# Allegro board SG2042_EVB_V2_0.brd (continued)
## Routing (per net, layer and track width the routed paths; a pad name or vN(x,y) marks a point on that pad's centre or on a via; arc(x,y) is an arc through that point) (continued)
DDR1_DQS3_N: length 39.4
  TOP w0.127: U1.F50 v1(138.75,244.05)
  ART10 w0.112: v1(138.75,244.05) 138.75,244.36 138.86,244.47 139.11,244.47 139.36,244.72 139.36,246.21 139.59,246.44 143.72,246.44 143.73,246.43 143.76,246.43
  ART10 w0.117: J2.185 171.73,250.05 arc(171.91,250.03) 172.05,250.14 172.08,250.2 arc(172.1,250.33) 172.04,250.45 171.69,250.8 arc(171.35,251.02) 170.95,251.1 170.92,251.1 arc(170.52,251.02) 170.18,250.8 170.01,250.62 arc(169.6,250.35) 169.12,250.25 169.01,250.25 arc(168.62,250.18) 168.29,249.96 168.12,249.79 arc(167.7,249.5) 167.2,249.4 166.42,249.4 163.45,246.43 143.76,246.43
DDR1_DQS3_P: length 39.3
  TOP w0.127: U1.E50 v1(138.75,245.05)
  ART10 w0.112: v1(138.75,245.05) 138.75,244.81 138.86,244.69 139.02,244.69 139.14,244.81 139.14,246.31 139.5,246.66 143.72,246.66 143.73,246.67 143.76,246.67
  ART10 w0.117: J2.186 172.4,250.35 arc(172.33,250.48) 172.23,250.6 171.87,250.97 arc(171.45,251.25) 170.95,251.35 170.92,251.35 arc(170.43,251.25) 170.01,250.97 169.83,250.79 arc(169.51,250.57) 169.12,250.5 169.01,250.5 arc(168.53,250.4) 168.12,250.13 167.95,249.96 arc(167.6,249.73) 167.2,249.65 166.32,249.65 163.35,246.67 143.76,246.67
DDR1_DQS4_N: length 56.2
  TOP w0.109: 146,231.35 145.97,231.35 145.95,231.33 145.2,231.33 145.02,231.16 143.79,231.16 143.68,231.26 143.68,231.44 143.79,231.55 U1.V56
  TOP w0.127: J2.244 171.94,195.23 arc(171.77,195.25) 171.6,195.25 170.98,195.25 arc(170.43,195.14) 169.97,194.83 169.86,194.72 arc(169.5,194.49) 169.08,194.4 169.05,194.4 arc(168.63,194.49) 168.27,194.72 168.06,194.93 arc(167.71,195.17) 167.29,195.25 166.52,195.25 155.13,206.64 155.13,225.02 148.79,231.35 146,231.35
DDR1_DQS4_P: length 56.1
  TOP w0.109: 146,231.1 145.97,231.1 145.95,231.12 145.29,231.12 145.11,230.94 143.7,230.94 143.25,231.4 U1.V55
  TOP w0.127: J2.245 171.63,194.55 arc(171.69,194.6) 171.73,194.67 171.73,194.69 arc(171.74,194.78) 171.71,194.88 arc(171.64,194.97) 171.52,195 170.98,195 arc(170.53,194.91) 170.15,194.65 170.04,194.55 arc(169.6,194.25) 169.08,194.15 169.05,194.15 arc(168.53,194.25) 168.09,194.54 167.88,194.75 arc(167.61,194.93) 167.29,195 166.42,195 154.87,206.54 154.87,224.91 148.68,231.1 146,231.1
DDR1_DQS5_N: length 62.4
  TOP w0.109: 146.34,224.75 146.34,224.78 145.17,225.94 143.78,225.94 143.25,226.47 U1.AC55
  TOP w0.127: 146.34,224.75 148.72,222.36 148.72,198.29 162.21,184.8 167.26,184.8 arc(167.7,184.89) 168.08,185.14 168.23,185.29 arc(168.63,185.55) 169.1,185.65 169.12,185.65 arc(169.6,185.74) 170.01,186.01 170.17,186.17 arc(170.53,186.41) 170.95,186.5 171.02,186.5 arc(171.4,186.42) 171.73,186.2 172.04,185.89 arc(172.11,185.75) 172.09,185.6 172.06,185.54 arc(171.92,185.43) 171.74,185.44 J2.255
DDR1_DQS5_P: length 62.3
  TOP w0.109: 146.52,224.93 146.49,224.93 145.26,226.16 143.87,226.16 143.76,226.26 143.76,226.44 143.87,226.55 U1.AC56
  TOP w0.127: J2.256 172.43,185.75 arc(172.35,185.92) 172.23,186.07 171.91,186.38 arc(171.5,186.66) 171.02,186.75 170.95,186.75 arc(170.43,186.65) 169.99,186.35 169.83,186.19 arc(169.5,185.98) 169.12,185.9 169,185.9 arc(168.52,185.81) 168.12,185.54 167.94,185.36 arc(167.6,185.13) 167.21,185.05 162.32,185.05 148.98,198.39 148.98,222.47 146.52,224.93
DDR1_DQS6_N: length 81.2
  TOP w0.127: U1.U50 v1(138.75,233.05)
  ART10 w0.112: v1(138.75,233.05) 138.37,233.05 138.26,232.94 138.26,232.57 138.36,232.47 138.36,231.89 138.59,231.66 143,231.66 143.45,231.21 144.97,231.21 145.27,230.91 145.74,230.91 145.75,230.92 145.78,230.92
  ART10 w0.117: J2.266 171.91,176.53 arc(171.76,176.54) 171.61,176.55 170.98,176.55 arc(170.43,176.44) 169.97,176.13 169.86,176.02 arc(169.5,175.78) 169.08,175.7 169.05,175.7 arc(168.62,175.78) 168.26,176.02 168.12,176.17 arc(167.7,176.45) 167.2,176.55 166.4,176.55 162.94,180.02 162.94,184.61 153.72,193.82 153.72,225.26 148.06,230.92 145.78,230.92
DDR1_DQS6_P: length 81.3
  TOP w0.127: U1.U49 v1(137.75,233.05)
  ART10 w0.112: 145.78,230.68 145.75,230.68 145.74,230.69 145.18,230.69 144.88,230.99 143.36,230.99 142.91,231.44 138.5,231.44 138.14,231.8 138.14,232.37 138.03,232.48 138.03,232.77 v1(137.75,233.05)
  ART10 w0.117: J2.267 171.64,175.85 arc(171.74,175.98) 171.72,176.14 171.71,176.16 arc(171.62,176.27) 171.48,176.3 170.98,176.3 arc(170.53,176.21) 170.14,175.95 170.04,175.85 arc(169.6,175.56) 169.08,175.45 169.05,175.45 arc(168.53,175.56) 168.09,175.85 167.95,176 arc(167.61,176.22) 167.2,176.3 166.3,176.3 162.69,179.91 162.69,184.51 153.48,193.72 153.48,225.16 147.96,230.68 145.78,230.68
DDR1_DQS7_N: length 88.3
  TOP w0.127: U1.AB49 v1(137.75,227.05)
  ART10 w0.112: v1(137.75,227.05) 138.03,226.77 138.03,226.52 138.14,226.42 138.14,225.78 138.48,225.44 143.42,225.44 143.92,224.94 145.27,224.94 145.28,224.93 145.31,224.93
  ART10 w0.117: J2.277 171.72,166.75 arc(171.91,166.73) 172.05,166.85 172.09,166.92 arc(172.11,167.06) 172.05,167.19 171.77,167.48 arc(171.4,167.72) 170.98,167.8 170.9,167.8 arc(170.52,167.73) 170.2,167.51 170.01,167.32 arc(169.6,167.05) 169.12,166.95 169.01,166.95 arc(168.62,166.88) 168.29,166.66 168.09,166.45 arc(167.7,166.19) 167.25,166.1 161.31,166.1 147.92,179.49 147.92,222.86 145.84,224.93 145.31,224.93
DDR1_DQS7_P: length 88.3
  TOP w0.127: U1.AB50 v1(138.75,227.05)
  ART10 w0.112: v1(138.75,227.05) 138.36,227.05 138.25,226.94 138.25,226.62 138.36,226.51 138.36,225.87 138.57,225.66 143.51,225.66 144.01,225.16 145.27,225.16 145.28,225.17 145.31,225.17
  ART10 w0.117: 145.31,225.17 145.95,225.17 148.16,222.96 148.16,179.6 161.41,166.35 167.25,166.35 arc(167.61,166.42) 167.91,166.62 168.12,166.83 arc(168.53,167.1) 169.01,167.2 169.12,167.2 arc(169.51,167.27) 169.83,167.49 170.03,167.69 arc(170.43,167.95) 170.9,168.05 171,168.05 arc(171.5,167.95) 171.92,167.67 172.21,167.38 arc(172.34,167.21) 172.43,167.02 J2.278
DDR1_ECC_DM_N: length 38.1
  TOP w0.109: 145.97,247.42 145.94,247.42 145.92,247.39 145.36,247.39 145.12,247.16 143.8,247.16 143.57,246.92 143.57,246.87 U1.C55
  TOP w0.127: 145.97,247.42 146.83,247.42 146.96,247.54 146.96,248.14 147.23,248.41 148.05,248.41 148.33,248.14 148.33,247.54 148.45,247.42 149.06,247.42 149.19,247.54 149.19,248.14 149.47,248.41 150.29,248.41 150.56,248.14 150.56,247.54 150.69,247.42 151.3,247.42 151.43,247.54 151.43,248.14 151.7,248.41 152.52,248.41 152.8,248.14 152.8,247.54 152.93,247.42 153.53,247.42 153.66,247.54 153.66,248.14 153.94,248.41 154.76,248.41 155.03,248.14 155.03,247.54 155.16,247.42 155.77,247.42 155.9,247.54 155.9,248.14 156.17,248.41 156.99,248.41 157.27,248.14 157.27,247.54 157.4,247.42 158.01,247.42 158.13,247.54 158.13,248.14 158.41,248.41 159.23,248.41 159.5,248.14 159.5,247.54 159.63,247.42 161.27,247.42 165.83,242.85 167.26,242.85 arc(167.71,242.76) 168.09,242.51 168.43,242.17 arc(168.55,242.02) 168.63,241.84 J2.52
DDR1_ECC_DM_P: length 38
  TOP w0.109: U1.C56 143.89,246.55 143.78,246.66 143.78,246.84 143.89,246.94 145.21,246.94 145.45,247.18 145.92,247.18 145.94,247.16 145.97,247.16
  TOP w0.127: 145.97,247.16 146.93,247.16 147.21,247.44 147.21,248.03 147.34,248.16 147.95,248.16 148.07,248.03 148.07,247.44 148.35,247.16 149.17,247.16 149.45,247.44 149.45,248.03 149.57,248.16 150.18,248.16 150.31,248.03 150.31,247.44 150.58,247.16 151.41,247.16 151.68,247.44 151.68,248.03 151.81,248.16 152.42,248.16 152.54,248.03 152.54,247.44 152.82,247.16 153.64,247.16 153.92,247.44 153.92,248.03 154.04,248.16 154.65,248.16 154.78,248.03 154.78,247.44 155.06,247.16 155.88,247.16 156.15,247.44 156.15,248.03 156.28,248.16 156.89,248.16 157.01,248.03 157.01,247.44 157.29,247.16 158.11,247.16 158.39,247.44 158.39,248.03 158.51,248.16 159.12,248.16 159.25,248.03 159.25,247.44 159.53,247.16 161.16,247.16 165.73,242.6 167.26,242.6 arc(167.61,242.53) 167.91,242.33 168.24,242 arc(168.31,241.85) 168.28,241.68 168.27,241.65 arc(168.12,241.53) 167.93,241.55 J2.51
DDR1_ECC_DQ0: length 39
  TOP w0.173: U1.B55 143.75,248.05 145.21,248.05 146.6,249.45 155.52,249.45 155.69,249.62 155.69,250.5 155.86,250.67 156.3,250.67 156.47,250.5 156.47,249.62 156.64,249.45 157.07,249.45 157.25,249.62 157.25,250.5 157.42,250.67 157.85,250.67 158.02,250.5 158.02,249.62 158.2,249.45 158.63,249.45 158.8,249.62 158.8,250.5 158.97,250.67 159.4,250.67 159.58,250.5 159.58,249.62 159.75,249.45 160.7,249.45 161.21,248.93 161.46,248.93 161.85,249.33 162.09,249.33 162.4,249.02 162.4,248.78 162.01,248.38 162.01,248.14 162.31,247.83 162.56,247.83 162.95,248.23 163.19,248.23 163.5,247.92 163.5,247.68 163.11,247.28 163.11,247.04 163.41,246.74 163.66,246.74 164.05,247.13 164.29,247.13 164.6,246.82 164.6,246.58 164.21,246.19 164.21,245.94 164.51,245.64 164.76,245.64 165.15,246.03 165.39,246.03 165.7,245.72 165.7,245.48 165.3,245.09 165.3,244.84 166.26,243.89 167,243.89 J2.49
DDR1_ECC_DQ1: length 39.4
  TOP w0.173: U1.A54 143.92,250.22 154.31,250.22 155.54,251.45 161.07,251.45 161.85,250.67 162.09,250.67 162.48,251.06 162.73,251.06 163.03,250.76 163.03,250.51 162.64,250.12 162.64,249.88 162.95,249.57 163.19,249.57 163.58,249.96 163.83,249.96 164.13,249.66 164.13,249.41 163.74,249.02 163.74,248.78 164.05,248.47 164.29,248.47 164.68,248.86 164.93,248.86 165.23,248.56 165.23,248.31 164.84,247.92 164.84,247.68 166.4,246.12 167.22,246.12 arc(167.65,246.04) 168.02,245.8 168.18,245.63 arc(168.58,245.37) 169.05,245.28 169.08,245.28 arc(169.55,245.18) 169.95,244.92 170.08,244.78 arc(170.48,244.52) 170.95,244.42 170.98,244.42 arc(171.45,244.33) 171.85,244.07 172.38,243.54 arc(172.63,243.16) J2.194
DDR1_ECC_DQ2: length 36.5
  TOP w0.173: U1.B53 v1(141.75,248.05)
  ART03 w0.15: v1(141.75,248.05) 142.25,247.55 142.25,246.57 143.25,245.57 143.25,244.83 143.53,244.55 145.12,244.55 146.12,245.56 152.51,245.56 152.66,245.41 152.66,244.83 152.81,244.68 153.24,244.68 153.39,244.83 153.39,245.21 153.54,245.36 153.97,245.36 154.12,245.21 154.12,244.83 154.27,244.68 154.69,244.68 154.84,244.83 154.84,245.21 154.99,245.36 155.42,245.36 155.57,245.21 155.57,244.83 155.72,244.68 160.22,244.68 165.57,239.32 167.13,239.32 arc(167.65,239.22) 168.08,238.93 168.58,238.43 arc(168.83,238.06) J2.56
DDR1_ECC_DQ3: length 39
  TOP w0.173: U1.E53 v1(141.75,245.05)
  ART03 w0.15: v1(141.75,245.05) 142.8,244 146.55,244 146.7,244.15 146.7,244.73 146.85,244.88 147.28,244.88 147.43,244.73 147.43,244.15 147.58,244 148.01,244 148.16,244.15 148.16,244.73 148.31,244.88 148.73,244.88 148.88,244.73 148.88,244.15 149.03,244 149.46,244 149.61,244.15 149.61,244.73 149.76,244.88 150.19,244.88 150.34,244.73 150.34,244.15 150.49,244 150.92,244 151.07,244.15 151.07,244.73 151.22,244.88 151.64,244.88 151.79,244.73 151.79,244.15 151.94,244 159.96,244 166.34,237.62 167.21,237.62 arc(167.65,237.54) 168.03,237.29 168.12,237.19 arc(168.58,236.88) 169.12,236.77 J2.201
DDR1_ECC_DQ4: length 37.5
  TOP w0.173: U1.A55 v1(143.75,249.05)
  ART03 w0.15: v1(143.75,249.05) 146.1,249.05 146.25,249.2 146.25,250.24 146.4,250.39 146.83,250.39 146.98,250.24 146.98,249.2 147.13,249.05 147.56,249.05 147.71,249.2 147.71,250.24 147.86,250.39 148.28,250.39 148.43,250.24 148.43,249.2 148.58,249.05 149.01,249.05 149.16,249.2 149.16,250.24 149.31,250.39 149.74,250.39 149.89,250.24 149.89,249.2 150.04,249.05 150.47,249.05 150.62,249.2 150.62,250.24 150.77,250.39 151.19,250.39 151.34,250.24 151.34,249.2 151.49,249.05 151.92,249.05 152.07,249.2 152.07,250.24 152.22,250.39 152.65,250.39 152.8,250.24 152.8,249.2 152.95,249.05 163.54,249.05 J2.47
DDR1_ECC_DQ5: length 42.3
  TOP w0.173: U1.E55 v1(143.75,245.05)
  ART03 w0.15: J2.192 171.02,244.43 arc(170.48,244.53) 170.02,244.84 169.95,244.91 arc(169.55,245.18) 169.08,245.28 169.05,245.28 arc(168.58,245.18) 168.18,244.91 168,244.74 arc(167.65,244.51) 167.25,244.42 166.47,244.42 164.38,246.51 152.94,246.51 152.79,246.66 152.79,247.6 152.64,247.75 152.21,247.75 152.06,247.6 152.06,246.66 151.91,246.51 151.48,246.51 151.33,246.66 151.33,247.6 151.18,247.75 150.75,247.75 150.6,247.6 150.6,246.66 150.45,246.51 150.03,246.51 149.88,246.66 149.88,247.6 149.73,247.75 149.3,247.75 149.15,247.6 149.15,246.66 149,246.51 148.57,246.51 148.42,246.66 148.42,247.6 148.27,247.75 147.84,247.75 147.69,247.6 147.69,246.66 147.54,246.51 147.11,246.51 146.96,246.66 146.96,247.6 146.81,247.75 146.39,247.75 146.24,247.6 146.24,246.66 146.09,246.51 145.21,246.51 v1(143.75,245.05)
DDR1_ECC_DQ6: length 44.7
  TOP w0.173: U1.D56 144.91,244.89 157.24,244.89 157.59,244.54 157.84,244.54 158.17,244.87 158.41,244.87 158.72,244.56 158.72,244.32 158.39,243.99 158.39,243.74 158.69,243.44 158.94,243.44 160.18,244.68 160.43,244.68 160.73,244.38 160.73,244.13 159.49,242.89 159.49,242.64 159.79,242.34 160.04,242.34 161.28,243.58 161.53,243.58 161.83,243.28 161.83,243.03 160.59,241.79 160.59,241.55 160.89,241.24 161.14,241.24 162.38,242.48 162.63,242.48 162.93,242.18 162.93,241.93 161.69,240.69 161.69,240.45 161.99,240.14 162.24,240.14 163.48,241.39 163.72,241.39 164.03,241.08 164.03,240.84 162.79,239.59 162.79,239.35 163.09,239.04 163.34,239.04 164.58,240.29 164.82,240.29 165.78,239.33 J2.54
DDR1_ECC_DQ7: length 45.6
  TOP w0.173: J2.199 169.12,238.48 arc(168.58,238.37) 168.13,238.06 168.03,237.97 arc(167.65,237.71) 167.2,237.62 165.28,237.62 165.11,237.8 165.11,238.88 164.94,239.06 164.5,239.06 164.33,238.88 164.33,237.8 164.16,237.62 163.41,237.62 162.63,238.4 162.39,238.4 161.61,237.62 161.36,237.62 161.06,237.93 161.06,238.17 161.84,238.95 161.84,239.2 161.53,239.5 161.29,239.5 160.51,238.72 160.26,238.72 159.96,239.03 159.96,239.27 160.74,240.05 160.74,240.29 160.43,240.6 160.19,240.6 159.41,239.82 159.16,239.82 158.86,240.12 158.86,240.37 159.64,241.15 159.64,241.39 159.33,241.7 159.09,241.7 158.31,240.92 158.06,240.92 157.76,241.22 157.76,241.47 158.54,242.25 158.54,242.49 158.23,242.8 157.99,242.8 157.21,242.02 156.97,242.02 156.66,242.32 156.66,242.57 157.44,243.35 157.44,243.59 157.14,243.9 156.89,243.9 156.11,243.12 155.87,243.12 154.87,244.11 144.69,244.11 U1.E56
DDR1_ECC_DQS_N: length 34.4
  TOP w0.109: 145.57,246.18 145.54,246.18 145.52,246.16 141.77,246.16 141.25,245.64 U1.D53
  TOP w0.127: J2.196 171.93,241.13 arc(171.76,241.15) 171.6,241.15 170.98,241.15 arc(170.43,241.04) 169.97,240.73 169.86,240.62 arc(169.5,240.39) 169.08,240.3 169.05,240.3 arc(168.63,240.39) 168.27,240.63 168.06,240.84 arc(167.71,241.07) 167.3,241.15 165.78,241.15 160.75,246.18 145.57,246.18
DDR1_ECC_DQS_P: length 34.3
  TOP w0.109: U1.D54 141.85,245.55 141.74,245.66 141.74,245.84 141.85,245.94 145.52,245.94 145.54,245.92 145.57,245.92
  TOP w0.127: 145.57,245.92 160.65,245.92 165.67,240.9 167.24,240.9 arc(167.61,240.83) 167.91,240.62 168.09,240.45 arc(168.53,240.15) 169.05,240.05 169.08,240.05 arc(169.6,240.15) 170.04,240.45 170.15,240.55 arc(170.53,240.81) 170.98,240.9 171.47,240.9 arc(171.62,240.85) 171.73,240.74 171.74,240.73 arc(171.75,240.58) 171.66,240.46 J2.197
DDR1_EVENT_N: length 207.5
  TOP w0.102: J2.78 169.68,214.59 183.81,214.59 R5.1 v1(183.92,215.09) ; R2387.2 v1(70.31,157.86)
  BOTTOM w0.102: v1(183.92,215.09) 184.3,214.71 184.3,156.49 184.05,156.24 184.05,155.7 183.06,154.71 155.82,154.71 133.59,176.94 105.01,176.94 86.52,158.45 70.89,158.45 v1(70.31,157.86)
DDR1_EVENT_N_L: length 1.9
  TOP w0.102: U2010.3 70.84,147.83 R598.2
DDR1_MA0: length 49.5
  TOP w0.173: J2.79 166.25,214.04 166.25,214.28 166.96,214.99 166.96,215.23 166.66,215.54 166.41,215.54 165.7,214.83 165.46,214.83 165.15,215.14 165.15,215.38 165.86,216.09 165.86,216.33 165.56,216.64 165.31,216.64 164.6,215.93 164.36,215.93 164.05,216.24 164.05,216.48 164.76,217.19 164.76,217.43 164.46,217.74 164.21,217.74 163.5,217.03 163.26,217.03 162.95,217.33 162.95,217.58 163.66,218.29 163.66,218.53 163.36,218.84 163.11,218.84 162.41,218.13 162.16,218.13 161.86,218.43 161.86,218.68 162.56,219.39 162.56,219.63 162.26,219.94 162.01,219.94 161.31,219.23 161.06,219.23 160.3,219.99 160.3,226.91 150.97,236.24 145.79,236.24 145.6,236.05 143.75,236.05 U1.P55
DDR1_MA1: length 47.9
  TOP w0.173: U1.N56 144.73,237.03 151.16,237.03 160.99,227.2 160.99,224.2 161.16,224.03 161.59,224.03 161.77,224.2 161.77,226.7 161.94,226.87 162.37,226.87 162.54,226.7 162.54,224.2 162.72,224.03 163.15,224.03 163.32,224.2 163.32,226.7 163.49,226.87 163.93,226.87 164.1,226.7 164.1,224.2 164.27,224.03 164.7,224.03 164.88,224.2 164.88,226.7 165.05,226.87 165.48,226.87 165.65,226.7 165.65,224.2 165.83,224.03 J2.72
DDR1_MA2: length 40.3
  TOP w0.173: U1.H53 v1(141.75,242.05)
  ART10 w0.135: J2.216 171.03,224.03 arc(170.48,224.13) 170.02,224.44 169.95,224.51 arc(169.55,224.78) 169.08,224.88 169.05,224.88 arc(168.58,224.78) 168.18,224.51 168.09,224.42 arc(167.68,224.15) 167.2,224.05 164.54,224.05 163.73,224.86 163.54,224.86 163.37,224.68 163.18,224.68 162.88,224.98 162.88,225.17 163.06,225.34 163.06,225.53 147.04,241.55 142.25,241.55 v1(141.75,242.05)
DDR1_MA3: length 44.9
  TOP w0.173: U1.N54 v1(142.75,237.05)
  ART03 w0.15: J2.71 165.95,224.88 165.8,224.73 165.8,222.91 165.65,222.76 165.22,222.76 165.07,222.91 165.07,224.73 164.92,224.88 164.49,224.88 164.34,224.73 164.34,222.91 164.19,222.76 163.76,222.76 163.62,222.91 163.62,224.73 163.47,224.88 162.44,224.88 161.88,225.44 161.88,225.65 162.09,225.87 162.09,226.08 161.79,226.38 161.58,226.38 161.36,226.16 161.15,226.16 160.85,226.47 160.85,226.68 161.06,226.89 161.06,227.11 160.76,227.41 160.55,227.41 160.33,227.19 160.12,227.19 159.82,227.5 159.82,227.71 160.03,227.92 160.03,228.14 159.73,228.44 159.52,228.44 159.3,228.22 159.09,228.22 158.79,228.53 158.79,228.74 159,228.95 159,229.16 158.7,229.47 158.49,229.47 158.27,229.25 158.06,229.25 157.76,229.55 157.76,229.77 157.97,229.98 157.97,230.19 157.67,230.5 157.46,230.5 157.24,230.28 157.03,230.28 156.73,230.58 156.73,230.8 156.95,231.01 156.95,231.22 156.64,231.53 156.43,231.53 156.22,231.31 156,231.31 155.7,231.61 155.7,231.83 155.92,232.04 155.92,232.25 155.61,232.56 155.4,232.56 155.19,232.34 154.97,232.34 154.67,232.64 154.67,232.85 154.89,233.07 154.89,233.28 154.58,233.58 154.37,233.58 154.16,233.37 153.95,233.37 150.77,236.54 143.26,236.54 v1(142.75,237.05)
DDR1_MA4: length 43.7
  TOP w0.173: U1.M55 v1(143.75,238.05)
  ART03 w0.15: v1(143.75,238.05) 144.76,237.04 145.32,237.04 145.47,237.19 145.47,237.9 145.62,238.05 146.04,238.05 146.19,237.9 146.19,237.19 146.34,237.04 146.77,237.04 146.92,237.19 146.92,237.9 147.07,238.05 147.5,238.05 147.65,237.9 147.65,237.19 147.8,237.04 148.23,237.04 148.38,237.19 148.38,237.9 148.53,238.05 148.96,238.05 149.11,237.9 149.11,237.19 149.26,237.04 149.68,237.04 149.83,237.19 149.83,237.9 149.98,238.05 150.41,238.05 150.56,237.9 150.56,237.19 150.71,237.04 151.83,237.04 152.4,236.47 152.4,236.26 152.18,236.05 152.18,235.83 152.48,235.53 152.69,235.53 152.91,235.75 153.12,235.75 153.43,235.44 153.43,235.23 153.21,235.02 153.21,234.81 153.51,234.5 153.72,234.5 153.94,234.72 154.15,234.72 163.14,225.72 167.12,225.72 arc(167.65,225.83) 168.09,226.13 168.18,226.21 arc(168.58,226.48) 169.05,226.58 169.08,226.58 arc(169.55,226.48) 169.95,226.21 170.02,226.14 arc(170.48,225.83) 171.02,225.73 J2.214
DDR1_MA5: length 36.9
  TOP w0.173: U1.G54 v1(142.75,243.05)
  ART12 w0.135: J2.213 169.13,226.58 arc(168.58,226.68) 168.12,226.99 168.08,227.03 arc(167.65,227.32) 167.13,227.42 166.18,227.42 165.77,227.83 165.77,228.02 166.09,228.34 166.09,228.53 165.79,228.82 165.6,228.82 165.29,228.51 165.1,228.51 150.56,243.05 v1(142.75,243.05)
DDR1_MA6: length 43.9
  TOP w0.173: U1.M54 v1(142.75,238.05)
  ART03 w0.15: J2.69 164.76,226.58 163.77,227.56 163.56,227.56 162.89,226.89 162.68,226.89 162.38,227.19 162.38,227.41 163.05,228.08 163.05,228.29 162.75,228.59 162.53,228.59 161.86,227.92 161.65,227.92 161.35,228.22 161.35,228.44 162.02,229.11 162.02,229.32 161.72,229.62 161.5,229.62 160.83,228.95 160.62,228.95 160.32,229.25 160.32,229.46 160.99,230.14 160.99,230.35 160.69,230.65 160.48,230.65 159.8,229.98 159.59,229.98 159.29,230.28 159.29,230.49 159.96,231.17 159.96,231.38 159.66,231.68 159.45,231.68 158.77,231.01 158.56,231.01 158.26,231.31 158.26,231.52 158.93,232.19 158.93,232.41 158.63,232.71 158.42,232.71 157.74,232.04 157.53,232.04 157.23,232.34 157.23,232.55 157.9,233.22 157.9,233.44 157.6,233.74 157.39,233.74 156.72,233.07 156.5,233.07 151.02,238.55 143.25,238.55 v1(142.75,238.05)
DDR1_MA7: length 37.8
  TOP w0.173: U1.G53 v1(141.75,243.05)
  ART10 w0.135: v1(141.75,243.05) 142.25,242.55 150.54,242.55 163.97,229.13 164.83,229.13 164.97,229.26 164.97,229.99 165.1,230.12 165.52,230.12 165.65,229.99 165.65,229.26 165.79,229.13 167.1,229.13 arc(167.64,229.02) 168.1,228.71 168.12,228.69 arc(168.58,228.38) 169.13,228.28 J2.211
DDR1_MA8: length 42.4
  TOP w0.173: U1.L55 v1(143.75,239.05)
  ART03 w0.15: v1(143.75,239.05) 151.27,239.05 152.05,238.28 152.26,238.28 152.9,238.92 153.12,238.92 153.42,238.62 153.42,238.41 152.77,237.76 152.77,237.55 153.07,237.25 153.29,237.25 153.93,237.89 154.14,237.89 154.45,237.59 154.45,237.38 153.8,236.73 153.8,236.52 154.1,236.22 154.32,236.22 154.96,236.86 155.17,236.86 155.48,236.56 155.48,236.35 154.83,235.7 154.83,235.49 155.13,235.19 155.34,235.19 155.99,235.84 156.2,235.84 156.51,235.53 156.51,235.32 155.86,234.67 155.86,234.46 156.16,234.16 156.37,234.16 157.02,234.81 157.23,234.81 163.29,228.75 164.54,228.75 164.69,228.6 164.69,227.58 164.84,227.43 165.27,227.43 165.42,227.58 165.42,228.6 165.57,228.75 166,228.75 166.15,228.6 166.15,227.57 166.3,227.42 J2.68
DDR1_MA9: length 41.3
  TOP w0.173: U1.K54 v1(142.75,240.05)
  ART03 w0.15: J2.66 166.33,229.13 166.18,229.27 166.18,230.18 166.03,230.33 165.6,230.33 165.45,230.18 165.45,229.49 165.3,229.34 164.88,229.34 164.73,229.49 164.73,230.18 164.58,230.33 164.15,230.33 164,230.18 164,229.49 163.85,229.34 163.42,229.34 163.27,229.49 163.27,230.18 163.12,230.33 162.41,230.33 153.19,239.55 151.32,239.55 151.17,239.7 151.17,240.34 151.02,240.49 150.59,240.49 150.44,240.34 150.44,239.7 150.29,239.55 149.86,239.55 149.71,239.7 149.71,240.34 149.56,240.49 149.13,240.49 148.98,240.34 148.98,239.7 148.83,239.55 148.41,239.55 148.26,239.7 148.26,240.34 148.11,240.49 147.68,240.49 147.53,240.34 147.53,239.7 147.38,239.55 146.95,239.55 146.8,239.7 146.8,240.34 146.65,240.49 146.22,240.49 146.07,240.34 146.07,239.7 145.92,239.55 143.25,239.55 v1(142.75,240.05)
DDR1_MA10: length 48.5
  TOP w0.173: U1.P56 150.68,235.55 159.61,226.63 159.61,218.93 160.6,217.93 160.6,217.69 160.25,217.34 160.25,217.09 160.55,216.79 160.8,216.79 161.15,217.14 161.4,217.14 161.7,216.84 161.7,216.59 161.35,216.24 161.35,215.99 161.65,215.69 161.9,215.69 162.25,216.04 162.49,216.04 162.8,215.74 162.8,215.49 162.45,215.14 162.45,214.89 162.75,214.59 163,214.59 163.35,214.94 163.59,214.94 163.9,214.64 163.9,214.39 163.55,214.04 163.55,213.8 163.85,213.49 164.1,213.49 164.45,213.84 164.69,213.84 165,213.54 165,213.29 164.65,212.94 164.65,212.7 164.95,212.39 165.2,212.39 165.55,212.74 165.79,212.74 166.41,212.13 167.17,212.13 arc(167.65,212.22) 168.06,212.49 168.18,212.62 arc(168.58,212.88) 169.05,212.97 169.08,212.97 arc(169.55,212.88) 169.95,212.62 170.99,211.57 arc(171.08,211.44) J2.225
DDR1_MA11: length 45.8
  TOP w0.173: U1.L56 145.26,238.55 145.43,238.38 145.43,237.9 145.6,237.72 146.03,237.72 146.21,237.9 146.21,238.38 146.38,238.55 146.81,238.55 146.98,238.38 146.98,237.9 147.16,237.72 147.59,237.72 147.76,237.9 147.76,238.38 147.93,238.55 148.36,238.55 148.54,238.38 148.54,237.9 148.71,237.72 149.14,237.72 149.31,237.9 149.31,238.38 149.49,238.55 150.64,238.55 155.34,233.85 155.58,233.85 156.3,234.57 156.54,234.57 156.85,234.26 156.85,234.02 156.13,233.3 156.13,233.06 156.44,232.75 156.68,232.75 157.4,233.47 157.64,233.47 157.95,233.16 157.95,232.92 157.23,232.21 157.23,231.96 157.54,231.66 157.78,231.66 158.5,232.37 158.74,232.37 159.04,232.06 159.04,231.82 158.33,231.11 158.33,230.86 158.64,230.56 158.88,230.56 159.59,231.27 159.84,231.27 160.14,230.96 160.14,230.72 159.43,230.01 159.43,229.76 160.03,229.16 167.19,229.16 arc(167.62,229.07) 167.98,228.83 168.18,228.63 arc(168.58,228.37) 169.05,228.27 169.08,228.27 arc(169.55,228.37) 169.95,228.63 170.03,228.71 arc(170.48,229.02) 171.02,229.13 J2.210
DDR1_MA12: length 45.8
  TOP w0.173: U1.K56 144.38,239.42 152.91,239.42 153.39,238.94 153.39,238.69 152.56,237.86 152.56,237.61 152.86,237.31 153.11,237.31 153.94,238.14 154.19,238.14 154.49,237.84 154.49,237.59 153.66,236.76 153.66,236.51 153.96,236.21 154.21,236.21 155.04,237.04 155.29,237.04 155.59,236.74 155.59,236.49 154.76,235.66 154.76,235.41 155.06,235.11 155.31,235.11 156.14,235.94 156.39,235.94 160.5,231.83 161.11,231.83 161.29,231.65 161.29,230.15 161.46,229.98 161.89,229.98 162.06,230.15 162.06,231.65 162.24,231.83 162.67,231.83 162.84,231.65 162.84,230.15 163.01,229.98 163.45,229.98 163.62,230.15 163.62,231.65 163.79,231.83 164.22,231.83 164.4,231.65 164.4,230.15 164.57,229.98 165,229.98 165.17,230.15 165.17,231.65 165.35,231.83 165.78,231.83 165.95,231.65 165.95,230.15 166.12,229.98 J2.65
DDR1_MA13: length 51.3
  TOP w0.173: U1.R54 v1(142.75,235.05)
  ART03 w0.15: J2.232 171.02,205.33 arc(170.48,205.43) 170.02,205.74 169.95,205.81 arc(169.55,206.08) 169.08,206.18 169.05,206.18 arc(168.58,206.27) 168.18,206.54 168.02,206.7 arc(167.65,206.94) 167.22,207.02 166.41,207.02 160.53,212.9 160.53,226.09 150.57,236.05 143.75,236.05 v1(142.75,235.05)
DDR1_MA14: length 52
  TOP w0.173: U1.M51 v1(139.75,238.05)
  ART10 w0.135: v1(139.75,238.05) 140.25,238.55 148.7,238.55 159.15,228.11 166.33,208.98 arc(166.47,208.79) 166.69,208.73 167.1,208.73 arc(167.64,208.83) 168.1,209.14 168.18,209.21 arc(168.58,209.48) 169.05,209.57 169.08,209.57 arc(169.55,209.48) 169.95,209.21 170.02,209.14 arc(170.48,208.83) 171.03,208.73 J2.228
DDR1_MA15: length 50.4
  TOP w0.173: U1.N51 v1(139.75,237.05)
  ART10 w0.135: v1(139.75,237.05) 140.25,237.55 149.04,237.55 158.71,227.88 158.71,214.72 166.41,207.02 J2.86
DDR1_MA16: length 45.8
  TOP w0.173: U1.M52 v1(140.75,238.05)
  ART12 w0.135: J2.82 166.41,210.43 162.36,214.48 162.36,223.89 148.69,237.55 141.25,237.55 v1(140.75,238.05)
DDR1_MA17: length 51.2
  TOP w0.173: U1.R55 v1(143.75,235.05)
  ART03 w0.15: J2.234 171.02,203.63 arc(170.48,203.73) 170.02,204.04 169.95,204.11 arc(169.55,204.38) 169.08,204.48 169.05,204.48 arc(168.58,204.57) 168.18,204.84 168.03,204.99 arc(167.65,205.24) 167.21,205.32 166.4,205.32 160.03,211.7 160.03,225.88 150.36,235.55 144.25,235.55 v1(143.75,235.05)
DDR1_ODT0: length 49.9
  TOP w0.173: U1.N50 v1(138.75,237.05)
  ART10 w0.135: J2.87 166.42,206.18 158.24,214.35 158.24,227.68 149.37,236.55 139.25,236.55 v1(138.75,237.05)
DDR1_ODT1: length 48.6
  TOP w0.173: U1.P52 v1(140.75,236.05)
  ART12 w0.135: J2.91 166.81,202.78 arc(166.79,202.78) 166.76,202.78 arc(166.45,202.88) 166.23,203.13 157.99,220.19 157.99,226.91 149.36,235.55 141.25,235.55 v1(140.75,236.05)
DDR1_PAR: length 48.6
  TOP w0.173: U1.L50 v1(138.75,239.05)
  ART10 w0.135: J2.222 172.32,214.22 arc(171.91,214.49) 171.42,214.59 166.41,214.59 163.72,217.28 159.56,228.37 148.37,239.55 139.25,239.55 v1(138.75,239.05)
DDR1_PLL_TESTOUT_N: length 1.4
  TOP w0.127: U1.M49 v1(137.75,238.05)
  BOTTOM w0.127: T20.1 v1(137.75,238.05)
DDR1_PLL_TESTOUT_P: length 1.4
  TOP w0.127: U1.M48 v1(136.75,238.05)
  BOTTOM w0.127: T19.1 v1(136.75,238.05)
DDR1_RESET_N: length 45.1
  TOP w0.173: U1.F55 143.75,243.05 154.47,243.05 161.59,235.93 J2.58 170.91,235.93 arc(171.44,236.03) 171.9,236.34 171.93,236.36 arc(172.38,236.67) 172.92,236.77 173.7,236.77 arc(174.24,236.88) 174.7,237.19 174.73,237.21 arc(175.18,237.52) 175.72,237.62 176.5,237.62 arc(177.04,237.52) 177.5,237.21 177.58,237.13 arc(177.98,236.87) 178.44,236.77 178.48,236.77 arc(178.95,236.87) 179.35,237.13 179.48,237.27 arc(179.88,237.53) 180.34,237.62 180.38,237.62 arc(180.85,237.72) 181.25,237.98 181.32,238.06 arc(181.78,238.37) 182.32,238.48 183.63,238.48 arc(183.74,238.45) 183.84,238.39 T15.1
DDR1_VDDPLL: length 1
  BOTTOM w0.381: FB16.1 C1454.1
  vias: v1(129.25,226.55)
DDR01_VDDQ_1V2: length 1064.5
  TOP w0.203: R12849.2 C6129.2 v1(198.12,189.94)
  TOP w0.254: J1.83 176.71,210.24 ; J1.83 177.37,209.58 ; J1.83 176.05,209.58 ; J1.83 176.71,208.91 ; 171.11,203.81 J2.233 ; J2.233 170.45,204.48 ; J2.233 171.77,204.48 ; J2.233 171.11,205.14 ; J1.73 176.71,223.84 ; J1.73 177.37,223.18 ; J1.73 176.05,223.18 ; J1.73 176.71,222.51 ; J1.92 178.97,201.93 ; J1.92 178.31,202.59 ; J1.92 177.65,201.93 ; J1.92 178.31,201.26 ; 168.25,203.63 J2.90 ; J2.90 168.91,204.29 ; J2.90 168.91,202.96 ; J2.90 169.57,203.63 ; 176.05,207.88 J1.85 ; J1.85 177.37,207.88 ; J1.85 176.71,208.54 ; J1.85 176.71,207.21 ; 172.05,227.42 J2.212 ; J2.212 172.71,228.09 ; J2.212 172.71,226.76 ; J2.212 173.37,227.42 ; 183.51,230.02 R2241.2 ; R2241.2 183.95,229.59 ; R2241.2 184.38,230.02 ; 177.65,212.13 J1.80 ; J1.80 178.31,212.79 ; J1.80 178.31,211.46 ; J1.80 178.97,212.13 ; C32.1 v1(175.36,207.9) ; C32.1 174.32,207.9 ; C32.1 174.75,208.33 ; C7.1 184.38,235.1 ; C7.1 v1(183.34,235.1) ; C7.1 183.95,234.67 ; J1.215 180.51,225.54 ; J1.215 179.85,224.88 ; J1.215 180.51,224.21 ; J1.215 181.17,224.88 ; J1.217 180.51,223.84 ; J1.217 180.51,222.51 ; J1.217 181.17,223.18 ; J1.217 179.85,223.18 ; 182.11,209.76 J1.226 ; J1.226 182.77,210.43 ; J1.226 181.45,210.43 ; J1.226 182.11,211.09 ; 172.05,232.53 J2.206 ; J2.206 172.71,231.86 ; J2.206 172.71,233.19 ; J2.206 173.37,232.53 ; 176.71,227.61 J1.67 ; J1.67 176.05,228.28 ; J1.67 177.37,228.28 ; J1.67 176.71,228.94 ; 168.91,225.06 J2.70 ; J2.70 169.57,225.73 ; J2.70 168.25,225.73 ; J2.70 168.91,226.39 ; J1.76 178.31,221.29 ; J1.76 178.97,220.63 ; J1.76 177.65,220.63 ; 170.45,224.88 J2.215 ; J2.215 171.77,224.88 ; J2.215 171.11,225.54 ; J2.215 171.11,224.21 ; J2.226 172.71,211.09 ; J2.226 172.05,210.43 ; J2.226 173.37,210.43 ; J2.226 172.71,209.76 ; C12.1 184.38,207.9 ; C12.1 183.95,208.33 ; C12.1 v1(183.34,207.9) ; 183.95,223.6 C10.1 ; C10.1 v1(183.34,224.03) ; C10.1 184.38,224.03 ; J1.90 178.31,204.29 ; J1.90 177.65,203.63 ; J1.90 178.97,203.63 ; J1.90 178.31,202.96 ; J2.236 172.71,202.59 ; J2.236 173.37,201.93 ; J2.236 172.71,201.26 ; J2.236 172.05,201.93 ; 170.45,223.18 J2.217 ; J2.217 171.11,223.84 ; J2.217 171.77,223.18 ; J2.217 171.11,222.51 ; C13.1 184.38,204.24 ; C13.1 183.95,204.67 ; C13.1 v1(183.34,204.24) ; J1.236 182.11,202.59 ; J1.236 182.77,201.93 ; J1.236 181.45,201.93 ; J1.236 182.11,201.26 ; 181.45,220.63 J1.220 182.11,221.29 ; C33.1 175.18,204.24 ; C33.1 174.75,204.67 ; C33.1 174.32,204.24 ; 169.57,212.13 J2.80 168.91,211.46 ; 167.31,207.21 J2.85 ; J2.85 167.31,208.54 ; J2.85 167.97,207.88 ; R489.2 v1(185.67,279.65) ; J1.212 182.11,228.09 ; J1.212 181.45,227.42 ; J1.212 182.77,227.42 ; J1.212 182.11,226.76 ; 172.71,233.56 J2.204 ; J2.204 172.05,234.23 ; J2.204 172.71,234.89 ; J2.204 173.37,234.23 ; 174.7,223.6 C30.1 ; C30.1 174.27,224.03 ; C30.1 175.13,224.03 ; J2.229 171.77,207.88 ; J2.229 170.45,207.88 ; J2.229 171.11,207.21 ; J2.229 171.11,208.54 ; 168.25,205.33 J2.88 ; J2.88 169.57,205.33 ; J2.88 168.91,205.99 ; J2.88 168.91,204.66 ; J1.204 182.11,234.89 ; J1.204 182.77,234.23 ; J1.204 182.11,233.56 ; J1.204 181.45,234.23 ; J2.92 169.57,201.93 ; J2.92 168.25,201.93 ; J2.92 168.91,202.59 ; J2.92 168.91,201.26 ; 174.27,235.1 C27.1 ; C27.1 v1(175.31,235.1) ; C27.1 174.7,234.67 ; R445.1 190.37,221.54 191.08,222.25 C3154.1 ; J2.209 171.11,230.64 ; J2.209 171.77,229.98 ; J2.209 170.45,229.98 ; J1.59 176.71,235.74 ; J1.59 176.71,234.41 ; J1.59 177.37,235.08 ; J1.59 176.05,235.08 ; 176.71,232.71 J1.61 ; J1.61 177.37,233.38 ; J1.61 176.05,233.38 ; J1.61 176.71,234.04 ; 177.65,205.33 J1.88 ; J1.88 178.31,205.99 ; J1.88 178.97,205.33 ; J1.88 178.31,204.66 ; 172.05,220.63 J2.220 ; J2.220 172.71,221.29 ; J2.220 173.37,220.63 ; v1(192,222.25) C3154.1 ; C3154.1 191.11,222.4 C1422.1 191.11,223.77 191.7,224.37 U47.2 ; 179.85,212.98 J1.223 180.51,212.31 ; C11.1 183.95,211.94 ; C11.1 v1(183.34,211.51) ; C11.1 184.38,211.51 ; J2.76 168.91,221.29 ; J2.76 169.57,220.63 ; J2.76 168.25,220.63 ; C28.1 175.13,232.56 ; C28.1 174.7,232.13 ; C28.1 v1(174.09,232.56) ; 177.65,230.83 J1.64 ; J1.64 178.31,231.49 ; J1.64 178.97,230.83 ; J1.64 178.31,230.16 ; 179.85,204.48 J1.233 ; J1.233 181.17,204.48 ; J1.233 180.51,205.14 ; J1.233 180.51,203.81 ; J1.229 180.51,208.54 ; J1.229 180.51,207.21 ; J1.229 181.17,207.88 ; J1.229 179.85,207.88 ; J2.223 171.11,213.64 ; J2.223 171.77,212.98 ; J2.223 171.11,212.31 ; 167.31,208.91 J2.83 ; J2.83 167.97,209.58 ; J2.83 167.31,210.24 ; C29.1 175.13,227.48 ; C29.1 174.7,227.05 ; C29.1 v1(174.09,227.48) ; J1.209 180.51,230.64 ; J1.209 181.17,229.98 ; J1.209 180.51,229.31 ; J1.209 179.85,229.98 ; 182.11,231.86 J1.206 ; J1.206 181.45,232.53 ; J1.206 182.11,233.19 ; J1.206 182.77,232.53 ; 193.42,205.05 193.42,205.49 ; 193.42,205.05 193.42,204.62 ; 193.42,205.05 192.99,205.05 ; 174.27,230.02 R2242.2 ; R2242.2 174.7,229.59 ; R2242.2 175.13,230.02 ; 183.95,227.05 C9.1 ; C9.1 184.38,227.48 ; C9.1 v1(183.34,227.48) ; J1.231 181.17,206.18 ; J1.231 180.51,205.51 ; J1.231 179.85,206.18 ; J1.231 180.51,206.84 ; 167.97,223.18 J2.73 167.31,222.51 ; J2.231 171.77,206.18 ; J2.231 171.11,205.51 ; J2.231 171.11,206.84 ; J2.231 170.45,206.18 ; 168.91,230.16 J2.64 ; J2.64 169.57,230.83 ; J2.64 168.25,230.83 ; J1.70 178.31,226.39 ; J1.70 177.65,225.73 ; J1.70 178.31,225.06 ; J1.70 178.97,225.73 ; 174.75,210.87 C31.1 ; C31.1 175.18,211.3 ; C31.1 174.32,211.3 ; C8.1 v1(183.34,232.56) ; C8.1 183.95,232.13 ; C8.1 184.38,232.56 ; R491.2 v1(185.67,277.57)